# Altium PCB DRS4-PCB.PcbDoc (part 6 of 15)
Units mil, origin at the board's own origin, x right, y up, seen from the top; angles counter-clockwise.
Board outline 12350 x 7411.06 mil, 12 copper layers (Top Layer, Ground Layer 2, Signal Layer 3, Signal Layer 4, Ground Layer 5, Power Layer 6, Ground Layer 7, Ground Layer 8, Power Layer 9, Power Layer 10, Ground Layer 11, Bottom Layer), stack 61.6 mil thick; 1264 components, 1069 nets, 3958 pads, 2329 vias.
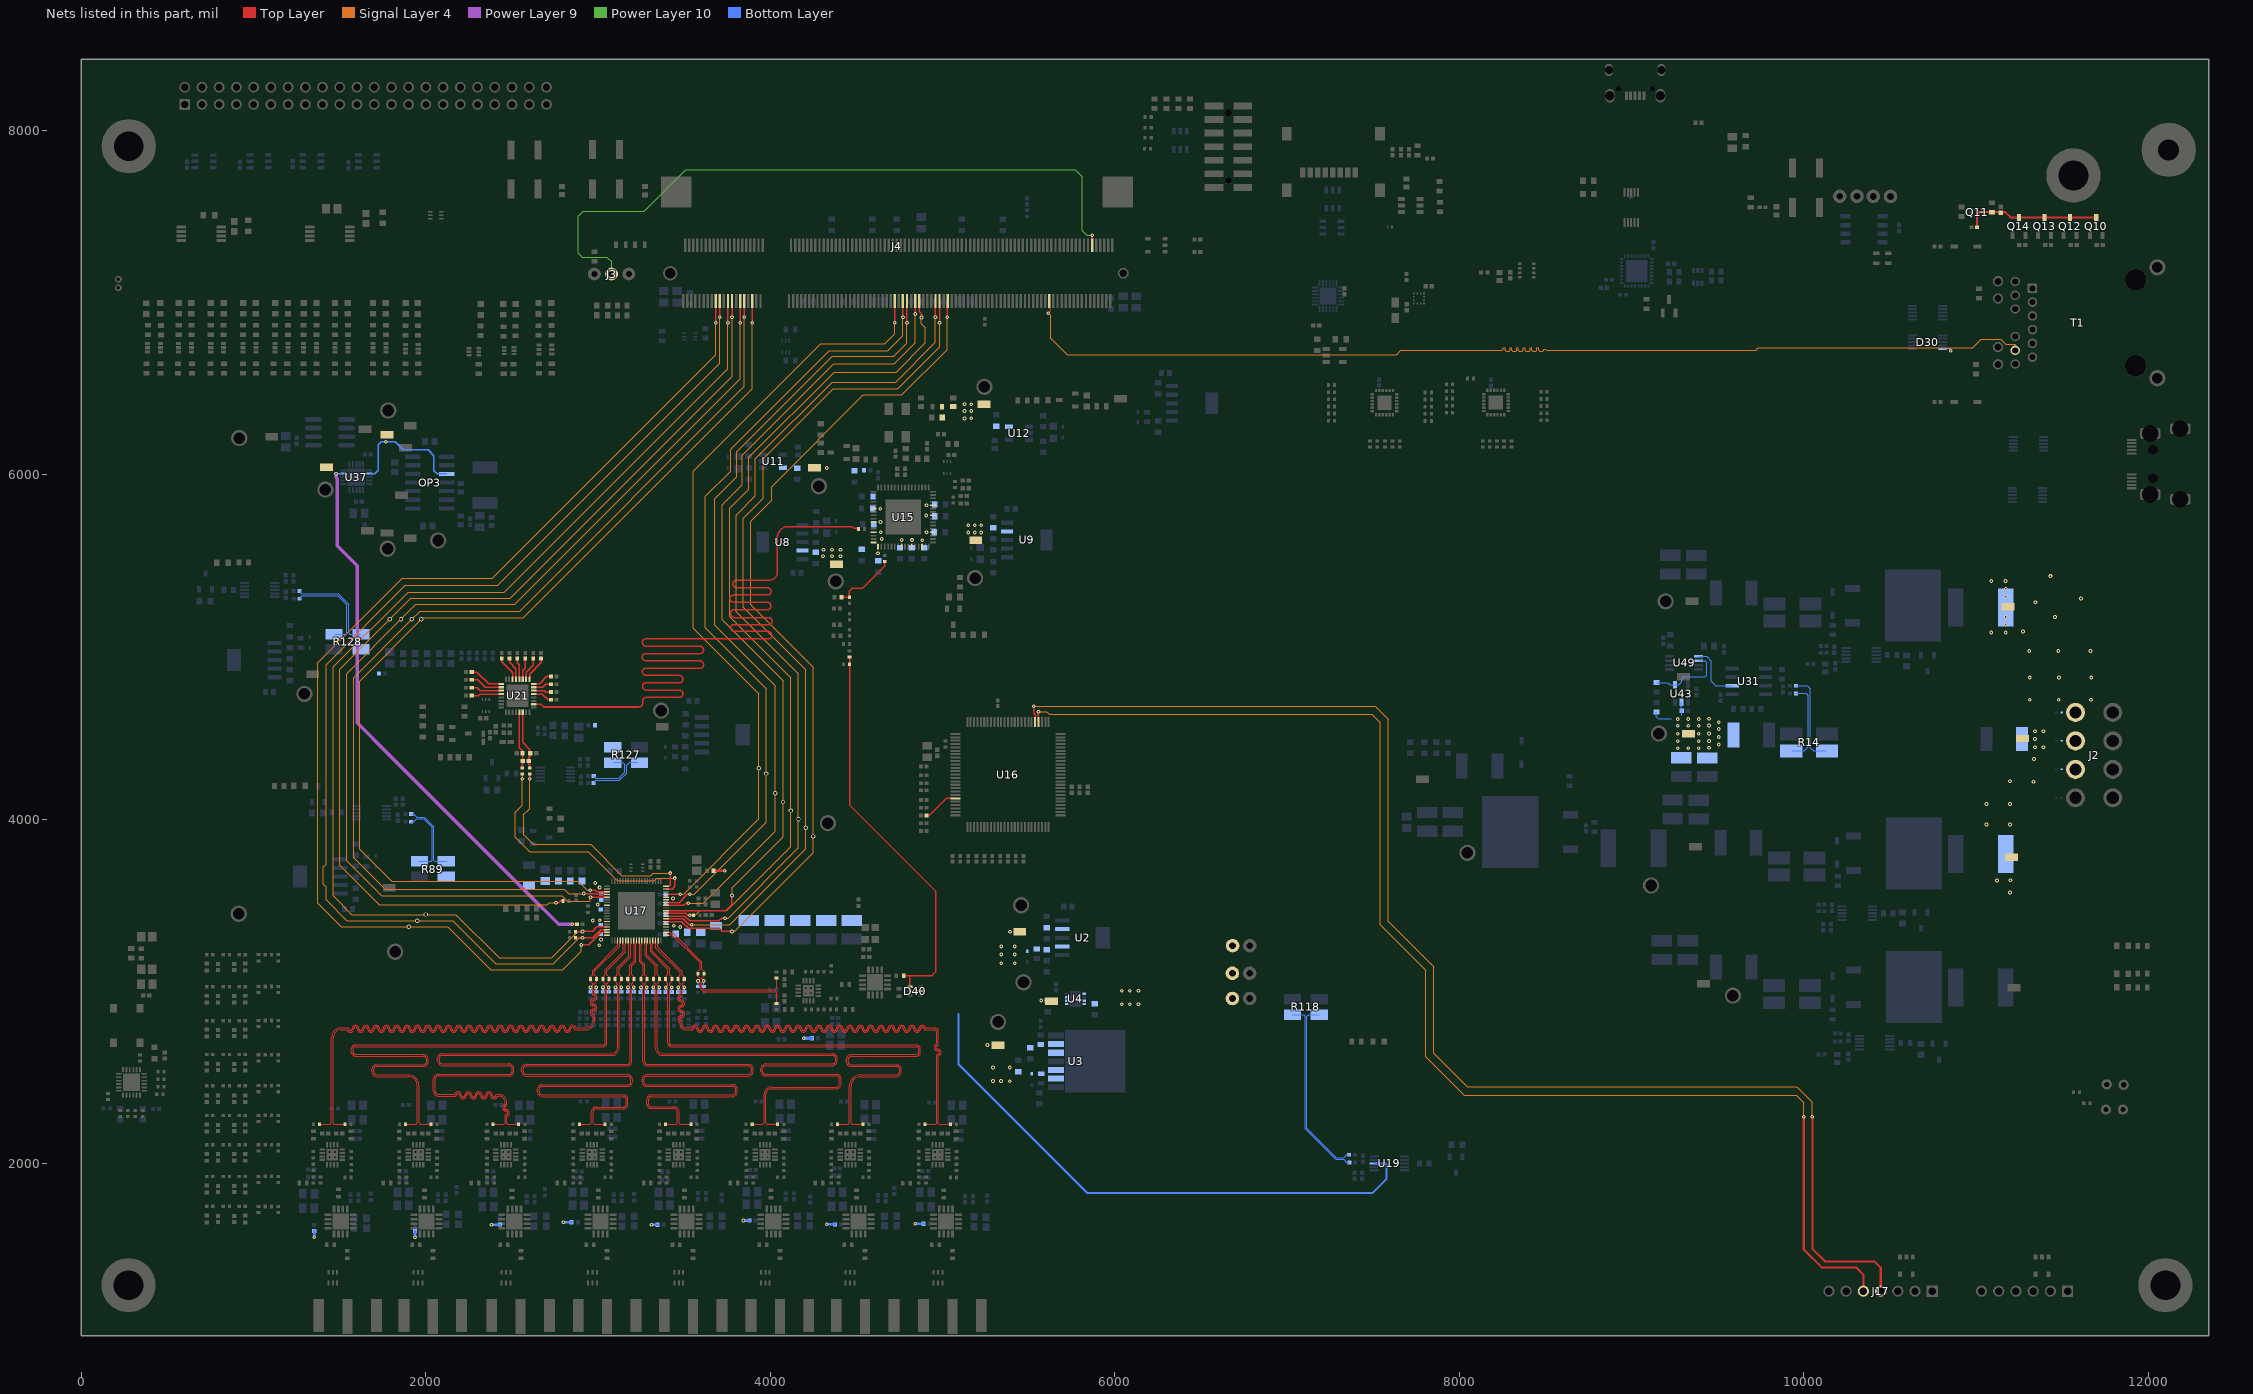
[diagram p16: the nets of this part, all layers, seen from the top]

## Via types
v1: diameter 21.65, hole 10, Top Layer to Bottom Layer, 2294 vias
v2: diameter 25, hole 15, Top Layer to Bottom Layer, 16 vias
v3: diameter 19, hole 8, Top Layer to Bottom Layer, 12 vias
v4: diameter 40, hole 28, Top Layer to Bottom Layer, 3 vias
v5: diameter 30, hole 20, Top Layer to Bottom Layer, 2 vias
v6: diameter 27.56, hole 10, Top Layer to Bottom Layer, 1 vias
v7: diameter 18, hole 10, Top Layer to Bottom Layer, 1 vias

## Nets (pads, with @x,y where several pads share a name; then routed paths per layer and width w, separated by ;. In a path a pad name is that pad's centre, name@x,y a point inside that pad or via, vN(x,y) a via of type N, cw(c..) or ccw(c..) an arc to the next point about the centre after c; other vN are vias at no path point) (continued)
+3V3_SPM15: D2.1 F2.1 J2.3 TP5.1
  other v1: 11196.22,3574.91 11120.55,3644.31 11199.85,3645.86 11059.88,3969.21 11196.22,3969.21 11059.88,4088.31 11196.22,4088.31 11332.53,4217.84 11196.22,4220.22 11336.3,4349.27
+4V_IN: D4.1 F1.1 J2.7 TP1.1
  other v1: 11310.67,4693.07 11479.77,4693.07 11666.91,4693.07 11311.44,4822.19 11480.54,4822.19 11667.68,4822.19 11308.02,4976.94 11477.13,4976.94 11664.25,4976.94 11087.48,5084.02 11170.98,5084.02 11271.83,5090.23 11170.98,5131 11457.3,5173.44 11170.98,5173.5 11344.74,5259.17 11608.85,5280.83 11170.98,5292 11170.98,5338.5 11087.48,5383.5 11170,5383.5 11430.98,5411.23
-1V: C29.2 C30.2 C41.2 FB4.2 FB12A.1 FB12B.1 FB12C.1 FB12D.1 FB12E.1 FB12F.1 FB12G.1 FB12H.1 FB15.1 R124.2 TP23.1 U43.2 | length 574
  Bottom Layer w5: R124.2@9144.51,4622.44 9143.51,4621.44 9143.51,4595 9156.71,4581.79 9229.15,4581.79 ; U43.2@9288.55,4677.99 9288.55,4632.13 C41.2@9290.68,4630 9290.68,4602.32
  Bottom Layer w15.75: v1(1351.65,1573.18) FB12A.1@1351.65,1608.98 ; v1(1936.3,1573.18) FB12B.1@1936.3,1608.98 ; v1(2381.2,1645.89) 2428.64,1645.89 FB12C.1@2428.84,1646.09 ; v1(2798.96,1660.34) FB12D.1@2846.4,1660.34 ; v1(3309.44,1644.92) FB12E.1@3344.49,1644.92 ; v1(3843.94,1669.67) FB12F.1@3879,1669.67 ; v1(4327.2,1647.88) FB12G.1@4374.64,1647.88 ; v1(4840.84,1651.14) FB12H.1@4888.28,1651.14
  Bottom Layer w19.68: v1(4194.11,2728.43) FB15.1@4240.81,2728.43
  other v1: 9267.84,4412.5 9328.98,4412.5 9389.89,4412.5 9449.34,4414.31 9506,4433.45 9267.84,4451.87 9389.89,4451.87 9449.34,4453.68 9506,4477.66 9267.84,4496.08 9389.89,4496.08 9449.34,4497.89 9506,4524 9267.84,4542.42 9328.98,4542.42 9389.89,4542.42 9449.34,4544.23 9506,4563.37 9267.84,4581.79 9328.98,4581.79 9389.89,4581.79 9449.34,4583.6
-1V_IN: D3.1 F4.1 J2.5 TP22.1
  other v1: 11342,4417.14 11391,4417.14 11342,4465 11342,4511.09 11391,4511.09
-1V_SENSE_N: R14.1 R208.2 | length 535.1
  Bottom Layer w6.73: R208.2@9953,4775 10019.51,4775 10036.99,4757.52 10036.99,4415.35 10055.34,4397 R14.1@10131.1,4397
-1V_SENSE_P: R14.4 R214.2 | length 481.6
  Bottom Layer w6.73: R14.4@9928.27,4397 10003,4397 10025.26,4419.26 10025.26,4716.98 10012.24,4730 R214.2@9953,4730
-1V_SHUNTSENSE_VOUT: U31.2 U49.1 | length 334.1
  Bottom Layer w5: U49.1@9388.65,4945.39 9435.61,4945.39 9463,4918 9463,4800 9488,4775 U31.2@9583,4775
-1V_VBUS: 
-1V_VBUS_SENSE: R125.1 U43.4 U49.2 | length 453.2
  Bottom Layer w5: R125.1@9144.85,4793.56 9208.44,4793.56 9221.65,4780.35 U43.4@9251.15,4780.35 9274.36,4780.35 9292,4797.99 9292,4816 9304,4828 9427,4828 9437,4838 9437,4909 9427,4919 U49.2@9391,4919
ADC0: R144.1 U21.5 | length 112.6
  Top Layer w7.87: U21.5@2627.22,4726.57 2676.77,4726.57 2710.6,4692.73 R144.1@2725.78,4692.73
ADC0_N: C159.1 C161.2 R140.2 U21.30 | length 349.2
  Top Layer w7.8: U21.30@2562.24,4622.23 2562.24,4445.66 2603.91,4404 2603.91,4385.18 C159.1@2606.51,4382.58 2606.51,4365.9 2597.83,4357.21 C161.2@2597.83,4338.59 2597.83,4319.01 2603.91,4312.93 2603.91,4299.72 R140.2@2602.34,4298.15
ADC0_P: C160.1 C161.1 R143.2 U21.29 | length 335.5
  Top Layer w7.8: U21.29@2542.56,4622.23 U21.29@2542.56,4622.23 2542.6,4415.47 2560.93,4397.13 C160.1@2560.93,4382.6 2560.93,4340.84 C161.1@2563.18,4338.59 2563.18,4318.83 2557.41,4313.06 2557.41,4299.4 R143.2@2558.66,4298.15
ADC1: R145.1 U21.6 | length 102
  Top Layer w7.87: U21.6@2627.22,4746.25 2688.79,4746.25 2697.03,4738.02 R145.1@2725.78,4738.02
ADC2: R146.1 U21.7 | length 105.8
  Top Layer w7.87: U21.7@2627.22,4765.94 2677.59,4765.94 2694.95,4783.3 R146.1@2725.78,4783.3
ADC3: R148.1 U21.8 | length 116.4
  Top Layer w7.87: U21.8@2627.22,4785.62 2659.85,4785.62 2702.82,4828.59 R148.1@2725.78,4828.59
ADC4: R149.1 U21.9 | length 148.7
  Top Layer w7.87: U21.9@2601.61,4811.23 2601.61,4842.69 2668.72,4909.8 R149.1@2668.72,4932.12
ADC5: R150.1 U21.10 | length 138.1
  Top Layer w7.87: U21.10@2581.93,4811.23 2581.93,4853.12 2623.43,4894.63 R150.1@2623.43,4932.12
ADC6: R151.1 U21.11 | length 127
  Top Layer w7.87: U21.11@2562.24,4811.23 2562.24,4861.21 2577.09,4876.05 R151.1@2577.09,4932.12
ADC7: R152.1 U21.12 | length 125.7
  Top Layer w7.87: R152.1@2531,4932.12 2531,4907.41 2542.56,4895.85 U21.12@2542.56,4811.23
ADC8: R153.1 U21.13 | length 136.3
  Top Layer w7.87: R153.1@2485.61,4932.12 2485.61,4911.08 2522.87,4873.81 U21.13@2522.87,4811.23
ADC9: R154.1 U21.14 | length 147.5
  Top Layer w7.87: R154.1@2440.32,4932.12 2440.32,4912.88 2503.94,4849.27 2503.94,4811.97 U21.14@2503.19,4811.23
ADC10: R157.1 U21.17 | length 200.3
  Top Layer w7.87: R157.1@2266.32,4854.31 2295.77,4854.31 2364.46,4785.62 U21.17@2438.22,4785.62
ADC11: R158.1 U21.18 | length 189.7
  Top Layer w7.87: R158.1@2266.32,4809.03 2301.41,4809.03 2344.5,4765.94 U21.18@2438.22,4765.94
ADC12: R159.1 U21.19 | length 179.1
  Top Layer w7.87: R159.1@2266.32,4763.74 2297.65,4763.74 2315.14,4746.25 U21.19@2438.22,4746.25
ADC13: R160.1 U21.20 | length 176.4
  Top Layer w7.87: R160.1@2266.32,4718.46 2267.64,4717.14 2305.38,4717.14 2314.81,4726.57 U21.20@2438.22,4726.57
ADC_ANA_SENSE_N: R127.2 R161.1 | length 321
  Bottom Layer w6.73: R161.1@2974.55,4251.42 2975.54,4251.42 2983,4243.96 2983,4240.74 2986.94,4236.8 3118.8,4236.8 3155,4273 3155,4318.13 3141.11,4332.02 R127.2@3088.31,4332.02
ADC_ANA_SENSE_P: R127.3 R165.1 | length 333.3
  Bottom Layer w6.73: R165.1@2974.28,4210.56 2975.27,4210.56 2982.73,4218.03 2982.73,4221.12 2986.67,4225.07 3123.66,4225.07 3166.73,4268.14 3166.73,4312.51 3183.57,4329.35 R127.3@3230.56,4329.35
ADC_AVDD: FB8.1 R127.1
ADC_CLK: R50.1 U21.2 | length 6817.2
  Top Layer w8.72: U21.2@2627.22,4667.51 2667.6,4667.51 2683.73,4651.38 3235.88,4651.38 ccw(c3235.88,4674.5) 3258.99,4674.5 3258.99,4686.93 cw(c3279.14,4686.93) 3279.14,4707.09 3470.36,4707.09 ; 3275.91,4961.67 ccw(c3275.91,4941.51) 3255.75,4941.51 ccw(c3278.03,4941.51) 3278.03,4919.24 3589.05,4919.24 ; 3278.03,4791.95 ccw(c3278.03,4771.79) 3257.87,4771.79 ccw(c3280.15,4771.79) 3280.15,4749.52 3470.36,4749.52 cw(c3470.36,4727.24) 3470.56,4749.52 cw(c3470.36,4727.24) 3492.64,4727.24 cw(c3472.48,4727.24) 3472.48,4707.09 ; 3278.03,4961.67 3590.03,4961.67 ; 3280.15,4791.95 3470.36,4791.95 ; 3472.48,4791.95 ccw(c3472.48,4812.1) 3492.64,4812.1 ccw(c3470.36,4812.1) 3470.36,4834.38 3279.14,4834.38 cw(c3279.14,4856.65) 3256.87,4856.65 cw(c3277.03,4856.65) 3277.03,4876.81 3590.03,4876.81 ; 3590.03,4919.24 cw(c3590.03,4896.96) 3612.3,4896.96 cw(c3592.15,4896.96) 3592.15,4876.81 ; 3592.15,4961.67 ccw(c3592.15,4981.82) 3612.3,4981.82 ccw(c3590.03,4981.82) 3590.03,5004.1 3279.14,5004.1 cw(c3279.14,5026.37) 3256.87,5026.37 cw(c3277.03,5026.37) 3277.03,5046.53 3988.69,5046.53 ccw(c3988.69,5066.69) 4008.85,5066.69 ccw(c3985.54,5066.69) 3985.54,5090 3791.27,5090 cw(c3791.27,5112.27) 3769,5112.27 cw(c3786.9,5112.27) 3786.9,5130.17 3991.74,5130.17 ccw(c3991.74,5149.29) 4010.85,5149.29 ccw(c3989.58,5149.29) 3989.58,5170.57 3793.01,5170.57 cw(c3793.01,5194.58) 3769,5194.58 cw(c3790.42,5194.58) 3790.42,5216 3982.02,5216 ccw(c3982.02,5237.16) 4003.18,5237.16 ccw(c3980.33,5237.16) 3980.33,5260 3786,5260 cw(c3786,5281) 3765,5281 cw(c3785.68,5281) 3785.68,5301.68 3984.41,5301.68 ccw(c3984.41,5321.27) 4004,5321.27 ccw(c3981.27,5321.27) 3981.27,5344 3803.16,5344 cw(c3803.16,5366.27) 3780.88,5366.27 cw(c3801.04,5366.27) 3801.04,5386.43 3992.74,5386.43 ccw(c3992.74,5433.59) 4039.9,5433.59 4039.9,5633.86 cw(c4105.04,5633.86) 4105.04,5699 4476.19,5699 4486.19,5689 R50.1@4507,5689
ADC_DIG_SENSE_N: R128.2 R162.1 | length 563.6
  Bottom Layer w6.73: R162.1@1266.33,5325.45 1267.31,5325.45 1274.77,5317.98 1274.77,5312.61 1278.71,5308.67 1491.92,5308.67 1551.73,5248.86 1551.73,5081.46 1558.19,5075 R128.2@1625,5075
ADC_DIG_SENSE_P: R128.3 R166.1 | length 542.2
  Bottom Layer w6.73: R166.1@1266.33,5280.16 1267.31,5280.16 1274.77,5287.62 1274.77,5292.99 1278.71,5296.94 1487.06,5296.94 1540,5244 1540,5079.23 1535.77,5075 R128.3@1470,5075
ADC_DVDD: FB9.1 R128.1
BIAS: R94.1 TP80.1 U37.9 | length 3301.1
  Top Layer w7.87: v1(2849.99,3390.09) 2876.56,3390.09 R94.1@2876.97,3389.68
  Power Layer 9 w19.68: v1(1478.68,6005.67) 1478.68,5984.53 1486.48,5976.73 1486.48,5586.62 1601.59,5471.5 1601.59,4558.68 1778.86,4381.42 2591.54,3568.73 2770.59,3389.68 v1@2850.71,3389.68
  Bottom Layer w7.87: v1(1478.68,6005.67) U37.9@1521.38,6005.67
BOOT_MODE: J3.2 J4.190 | length 3995.4
  Top Layer w11.81: J4.190@5867.92,7330.79 v1(5867.91,7390.45)
  Power Layer 10 w6.88: J3.2@3078.03,7165.12 3078.03,7235.93 3050.67,7263.29 2908.14,7263.29 2885.21,7286.22 2885.21,7501.37 2913.48,7529.65 3268.49,7529.65 3509.62,7770.78 5768.96,7770.78 5810.43,7729.31 5810.43,7416.42 5836.39,7390.45 v1(5867.91,7390.45) v1@5868.9,7390.45
CLK_SYNTH_8: C235.2 L6.1 R52.1 | length 374.5
  Top Layer w8.72: C235.2@4411.62,5288.38 L6.1@4459.13,5288.38 4459.15,5325.13 4475.04,5341.02 4535.16,5341.02 4663.7,5469.57 R52.1@4663.7,5495.35
CLK_SYNTH_LP: C228.2 D40.2 D40.4 R193.2 R195.2 | length 2366.4
  Top Layer w8.72: R193.2@4459.92,4940.71 R195.2@4459.92,4899.21 4459.92,4082.08 4959.33,3582.67 4959.33,3112.87 4937.6,3091.14 4809.84,3091.14 ; C228.2@4773.91,3091.14 4809.84,3091.14 ; D40.2@4872.84,3001.81 4872.56,3002.09 4852.37,3002.09 4828.61,3025.86 4811.39,3025.86 D40.4@4809.84,3027.4 4809.84,3091.14
CLK_VDD_1V8: C32.2 C103.2 C104.2 C105.2 TP25.1 U8.4 U15.32 U15.46 U15.60
  other v1: 4305.38,5526.65 4358.07,5526.65 4407.13,5526.65 4307.72,5563.82 4358.07,5563.82 4407.13,5563.82 4880.8,5619.36 4647,5627 4905.71,5822.55
CLK_VDDA_3V3: C44.2 C96.2 FB6.1 TP31.1 U11.5
  other v1: 4327.13,6038.35
CLK_VDDO_2V5: C35.2 C97.2 C98.2 C99.2 C100.2 C101.2 C106.2 C107.2 C108.2 TP27.1 U9.4 U15.22 U15.26 U15.29 U15.33 U15.40 U15.43 U15.52 U15.57
  other v1: 4624.89,5543.93 4821.83,5620.23 4762.42,5621.32 5148.69,5663.89 5185.85,5663.89 5224.75,5663.89 4641.36,5665.66 4906.66,5665.66 5148.69,5705.93 5185.85,5705.93 5224.75,5705.93 4639.55,5725.1 4905.41,5763.74 4638.31,5802.98
CLK_VDDS_3V3: C47.2 C95.1 L1.2 R58.2 TP33.1 U12.5
  other v1: 5126.35,6326.46 5166.61,6326.92 5126.35,6369.95 5166.61,6369.95 5126.35,6409.11 5166.61,6409.11
CM: OP3.3 TP79.1 U37.17 | length 742.2
  Bottom Layer w8: U37.17@1671.18,6005.67 1703.08,6005.67 1723.47,6026.06 1723.47,6175.06 1740.36,6191.95 v1(1766.27,6191.95) 1821.05,6191.95 1868.95,6144.05 2012.37,6144.05 2046.64,6109.79 2046.64,6022.95 2065.12,6004.47 OP3.3@2120.42,6004.47
CTREF: C113.2 Q10.3 Q11.5 Q12.3 Q13.3 Q14.3 R64.1 R65.2 | length 782.5
  Top Layer w11.81: R64.1@11005.24,7437.39 11005.24,7509.7 11019.55,7524.02 11040.63,7524.02 11169.99,7524.02 11200,7494.01 Q14.3@11248.07,7494.01 Q13.3@11396.78,7494.01 Q12.3@11545.49,7494.01 Q10.3@11697.06,7494.01
CY8_INT: R87.2 U16.45 | length 208.8
  Top Layer w9.84: R87.2@4906.61,4021.49 4922.75,4021.49 5022.6,4121.33 U16.45@5074.09,4121.33
DAC_C\L\R\: J17.4 U16.5 | length 7974.1
  Top Layer w7.87: v1(5529.21,4655.08) 5529.21,4613.94 5536.69,4606.46 U16.5@5536.69,4564.25
  Top Layer w11.81: v1(10049.13,2272.89) 10049.13,1506.31 10122.33,1433.11 10409,1433.11 10446,1396.11 J17.4@10446,1264.02 ; J17.4@10476.28,1251.91 10477.28,1250.91
  Signal Layer 4 w6.12: v1(5529.21,4655.08) 5575.83,4655.08 7511.49,4655.08 7587.7,4578.87 7587.7,3407.23 7851.52,3143.4 7851.52,2640.39 8044.38,2447.53 9959.75,2447.53 10049.13,2358.15 v1(10049.13,2272.89)
DAC_I\R\Q\: J17.5 U16.4 | length 7773.5
  Top Layer w7.87: U16.4@5556.38,4564.25 v1(5556.38,4623.9)
  Top Layer w11.81: v1(9999.13,2271.91) 9999.13,1501.79 10102.38,1398.54 10302.46,1398.54 10345,1356 J17.5@10345,1264.02
  Signal Layer 4 w6.12: v1(5556.38,4623.9) 5605.22,4623.9 5620.29,4608.82 7492.33,4608.82 7541.44,4559.71 7541.44,3388.07 7805.27,3124.24 7805.27,2621.23 8029.35,2397.14 9955.03,2397.14 9999.13,2353.03 v1(9999.13,2271.91)
DRS4_2V5_ADM: C18.2 J7.2 U4.5 U4.7 U4.8
  other v1: 6137.02,2925.42 6039.97,2926.19 6086.7,2926.19 6039.97,3004.54 6086.7,3004.54 6137.02,3004.54
DRS4_2V5_MIC: C15.2 D10.1 J8.2 R9.1 U3.2 U3.3
  other v1: 5389.01,2478.82 5291.96,2479.59 5338.7,2479.59 5291.96,2557.94 5389.01,2557.94
DRS4_2V5_TPS: C11.2 D9.1 J6.2 R8.1 U2.2
  other v1: 5339.54,3164.49 5418.66,3164.49 5340.31,3214.8 5418.66,3214.8 5340.31,3261.54 5418.66,3261.54
DRS4_\R\E\S\E\T\: J4.93 U17.35 | length 4592.2
  Top Layer w7.87: U17.35@3394.77,3563.28 v1@3483.19,3563.28 ; v1(4722.11,6881.89) J4.93@4722.1,7008.12
  Signal Layer 4 w6.12: v1(3476.27,3564.41) v1@3481.29,3564.41 ; v1@3479.7,3562.82 v1@3481.29,3564.41 ; v1@4722.11,6878.95 4722.11,6816.96 4665.23,6760.08 4292.72,6760.08 3552.52,6019.88 3552.52,5108.73 3933.11,4728.13 v2(3933.11,4295) 3933.11,4002.09 3495.69,3564.68 3481.56,3564.68 v1@3481.29,3564.41
DRS4_A0: J4.99 U17.31 | length 4708.5
  Top Layer w7.87: U17.31@3394.77,3500.29 3498.22,3500.29 3510.3,3512.36 v1(3522.64,3512.36) ; v1(4792.97,6881.89) J4.99@4792.97,7007.79
  Signal Layer 4 w6.12: v1@3522.64,3512.32 3611.43,3512.32 4029.01,3929.89 v2(4029.01,4150) 4029.01,4773.88 3676.13,5126.75 3676.13,5860.12 3804.72,5988.71 3804.72,6133.53 4359.31,6688.12 4717.25,6688.12 4792.97,6763.84 v1(4792.97,6881.89)
DRS4_A1: J4.97 U17.32 | length 4620.5
  Top Layer w7.87: U17.32@3395.03,3515.98 3470.13,3515.98 3518.14,3563.99 v1(3531.29,3563.99) ; v1(4769.35,6913.39) J4.97@4769.35,7008.1
  Signal Layer 4 w6.12: v1(3531.29,3563.99) 3558.12,3563.99 3975.39,3981.27 v2(3975.39,4265) 3975.39,4758.74 3622.52,5111.61 3622.52,5873.76 3770,6021.24 3770,6149 4341.18,6720.18 4681.61,6720.18 4769.35,6807.92 v1(4769.35,6913.39)
DRS4_A2: J4.35 U17.60 | length 6005.5
  Top Layer w7.87: v1(2954.92,3588.18) 2983.99,3588.18 2993.2,3578.98 U17.60@3050.54,3578.98 ; v1(3895.4,6881.89) J4.35@3895.39,7008.12
  Signal Layer 4 w6.12: v1(2954.92,3588.18) 2954.33,3588.78 2936.54,3588.78 2885.2,3640.12 1801.42,3640.12 1614.68,3826.86 1614.68,4801.07 v2(1973.61,5160) 1984.36,5170.75 2566.53,5170.75 3895.4,6499.62 v1(3895.4,6881.89)
DRS4_A3: J4.31 U17.61 | length 6068.5
  Top Layer w7.87: v1(2916.14,3568.05) 2983.41,3568.05 2988.24,3563.23 U17.61@3050.54,3563.23 ; v1(3848.16,6913.39) J4.31@3848.15,7008.12
  Signal Layer 4 w6.12: v1(2916.14,3568.05) 2914.57,3566.47 2830.81,3566.47 2803.5,3593.79 1763.38,3593.79 1580.53,3776.63 1580.53,4822.41 v2(1918.12,5160) 1966.44,5208.31 2543.55,5208.31 3848.16,6512.92 v1(3848.16,6913.39)
DRS4_AVDD: C135.2 C136.1 C137.1 C138.1 C139.2 C140.2 C141.2 C142.2 C143.2 C144.1 R89.1 U17.59 U17.65 U17.71 U17.76
  other v1: 3006.93,3267.47 3016,3301.61 2968.88,3411.39 3008.69,3412.76 2998.43,3505.1 3008.53,3603.26 2983.28,3630.22
DRS4_AVDD_N: R89.2 R90.1 | length 431.9
  Bottom Layer w5: R90.1@1915.12,4029.83 1929.43,4029.83 1947.1,4012.16 1991.13,4012.16 2044.14,3959.15 2047.07,3956.22 2047.07,3762.93 2055,3755 R89.2@2120,3755
DRS4_AVDD_P: R89.3 R92.1 | length 423.3
  Bottom Layer w5: R92.1@1914.72,3984.49 1929.03,3984.49 1946.7,4002.16 1986.98,4002.16 2037.07,3952.08 2037.07,3761.97 2030.1,3755 R89.3@1957.2,3755
DRS4_DENABLE: J4.19 R101.2 U17.74 | length 6655.6
  Top Layer w7.87: R101.2@2869.84,3312.09 v1(2908.94,3312.09) 2968.02,3312.09 3014.43,3358.5 U17.74@3050.54,3358.5 ; v1(3706.44,6913.39) J4.19@3706.43,7008.12
  Signal Layer 4 w6.12: v1(2908.94,3312.09) 2890.23,3312.09 2739.24,3161.09 2405.27,3161.09 2155.41,3410.95 v2(1950,3410.95) 1540.53,3410.95 1420.49,3530.99 1420.49,3608.21 1405.04,3623.66 1405.04,3723.93 1420.49,3739.38 1420.49,4898.02 1881.04,5358.57 2418.29,5358.57 3706.44,6646.73 v1(3706.44,6913.39)
DRS4_DTAP: J4.29 U17.62 | length 6160.4
  Top Layer w7.87: v1@2955.48,3544.02 2958.95,3547.48 U17.62@3050.54,3547.48 ; v1(3824.54,6881.89) J4.29@3824.53,7008.12
  Signal Layer 4 w6.12: v1(2955.1,3547.12) 2955.1,3531.7 2947,3523.61 2820.23,3523.61 2789.62,3554.22 1743.64,3554.22 1539.5,3758.36 1539.5,4844.55 v2(1854.95,5160) 1942.16,5247.22 2515.88,5247.22 3824.54,6555.88 v1(3824.54,6881.89)
DRS4_DVDD: C14.2 C16.2 C19.2 C145.1 C146.1 C147.1 C148.1 C149.1 C150.1 C151.2 C152.2 C153.2 C154.2 C155.2 C156.2 C157.1 C158.1 FB7.1 R10.2 TP12.1 TP14.1 TP16.1 U2.4 U3.5 U3.6 U4.1 U4.2 U4.3 U17.23 U17.24 U17.33 U17.34 U19.8 | length 3343.3
  Top Layer w7.87: v1@3731.66,3700.73 v1(3735.71,3700.73)
  Top Layer w15.75: FB7.1@3668.49,3700.74 v1@3731.65,3700.74
  Bottom Layer w11.81: 5091.98,2869.05 5091.98,2578.01 5840.97,1829.02 7493.78,1829.02 7577.11,1912.36 7577.11,1992.44 7568.24,2001.32 U19.8@7505.78,2001.32
  other v1: 5260.11,2688.97 5572.52,2946.97 5390.43,3346.85 3476.64,3374.41 3439.36,3382 3435.1,3539.88
DRS4_DVDD_N: R103.1 R118.2 | length 1069.2
  Bottom Layer w5: R118.2@7030,2865 7095,2865 7105,2855 7105,2201.53 7282.07,2024.45 7329.01,2024.45 7346.65,2006.81 R103.1@7360.97,2006.81
DRS4_DVDD_P: R105.1 R118.3 | length 1046
  Bottom Layer w5: R118.3@7185,2865 7125,2865 7115,2855 7115,2205.67 7286.21,2034.45 7327.32,2034.45 7344.97,2052.1 R105.1@7359.28,2052.1
DRS4_DWRITE: J4.23 R102.2 U17.73 | length 6581.3
  Top Layer w7.87: R102.2@2869.29,3345.94 2906.5,3345.94 v1(2908.94,3348.39) 2967.38,3348.39 2993.25,3374.25 U17.73@3050.54,3374.25 ; v1(3753.68,6881.89) J4.23@3753.67,7008.12
  Signal Layer 4 w6.12: v1(2908.94,3348.39) 2884.25,3348.39 2730.63,3194.76 2425.91,3194.76 2174.05,3446.63 v2(2000,3446.63) 1570.56,3446.63 1462.94,3554.25 1462.94,4884.1 1896.43,5317.59 2454.78,5317.59 3753.68,6616.5 v1(3753.68,6881.89)
DRS4_IN0_N: R109.2 R175A.2 R180A.2 U17.4 | length 3537.9
  Top Layer w5: R175A.2@1530.79,2229.13 1467.13,2229.13 1461.52,2234.75 1461.52,2730.78 cw(c1508.7,2730.78) 1508.7,2777.96 1541.83,2777.96 ccw(c1561.2,2782.96) 1581.2,2782.96 cw(c1591.2,2782.96) 1601.2,2782.96 ccw(c1621.2,2782.96) 1641.2,2782.96 cw(c1651.2,2782.96) 1661.2,2782.96 ccw(c1681.2,2782.96) 1701.2,2782.96 cw(c1711.2,2782.96) 1721.2,2782.96 ccw(c1741.2,2782.96) 1761.2,2782.96 cw(c1771.2,2782.96) 1781.2,2782.96 ccw(c1801.2,2782.96) 1821.2,2782.96 cw(c1831.2,2782.96) 1841.2,2782.96 ccw(c1861.2,2782.96) 1881.2,2782.96 cw(c1891.2,2782.96) 1901.2,2782.96 ccw(c1921.2,2782.96) 1941.2,2782.96 cw(c1951.2,2782.96) 1961.2,2782.96 ccw(c1981.2,2782.96) 2001.2,2782.96 cw(c2011.2,2782.96) 2021.2,2782.96 ccw(c2041.2,2782.96) 2061.2,2782.96 cw(c2071.2,2782.96) 2081.2,2782.96 ccw(c2101.2,2782.96) 2121.2,2782.96 cw(c2131.2,2782.96) 2141.2,2782.96 ccw(c2161.2,2782.96) 2181.2,2782.96 cw(c2191.2,2782.96) 2201.2,2782.96 ccw(c2221.2,2782.96) 2241.2,2782.96 cw(c2251.2,2782.96) 2261.2,2782.96 ccw(c2281.2,2782.96) 2301.2,2782.96 cw(c2311.2,2782.96) 2321.2,2782.96 ccw(c2341.2,2782.96) 2361.2,2782.96 cw(c2371.2,2782.96) 2381.2,2782.96 ccw(c2401.2,2782.96) 2421.2,2782.96 cw(c2431.2,2782.96) 2441.2,2782.96 ccw(c2461.2,2782.96) 2481.2,2782.96 cw(c2491.2,2782.96) 2501.2,2782.96 ccw(c2521.2,2782.96) 2541.2,2782.96 cw(c2551.2,2782.96) 2561.2,2782.96 ccw(c2581.2,2782.96) 2601.2,2782.96 cw(c2611.2,2782.96) 2621.2,2782.96 ccw(c2641.2,2782.96) 2661.2,2782.96 cw(c2671.2,2782.96) 2681.2,2782.96 ccw(c2701.2,2782.96) 2721.2,2782.96 cw(c2731.2,2782.96) 2741.2,2782.96 ccw(c2761.2,2782.96) 2781.2,2782.96 cw(c2791.2,2782.96) 2801.2,2782.96 ccw(c2821.2,2782.96) 2841.2,2782.96 cw(c2851.2,2782.96) 2861.2,2782.96 ccw(c2866.2,2782.96) 2866.2,2777.96 2931,2777.96 ccw(c2931,2824.8) 2977.83,2824.8 2977.83,2861.47 ccw(c2972.83,2861.47) 2972.83,2866.47 cw(c2972.83,2876.47) 2972.83,2886.47 ccw(c2972.83,2906.47) 2992.83,2906.47 ccw(c2972.83,2906.47) 2972.83,2926.47 cw(c2972.83,2936.47) 2972.83,2946.47 ccw(c2972.83,2966.47) 2992.83,2966.47 ccw(c2972.83,2966.47) 2977.83,2985.84 2977.83,3011.69 v1(2989.76,3023.62) 2977.88,3035.5 2977.88,3046.16 2990.6,3058.88 R109.2@2990.6,3072.2 2990.6,3085.53 2977.88,3098.25 2977.88,3116.05 3125.17,3263.33 3125.17,3273.46 3128.04,3276.33 U17.4@3128.04,3296.55